# Allegro board mini_trx_layout.brd (continued)
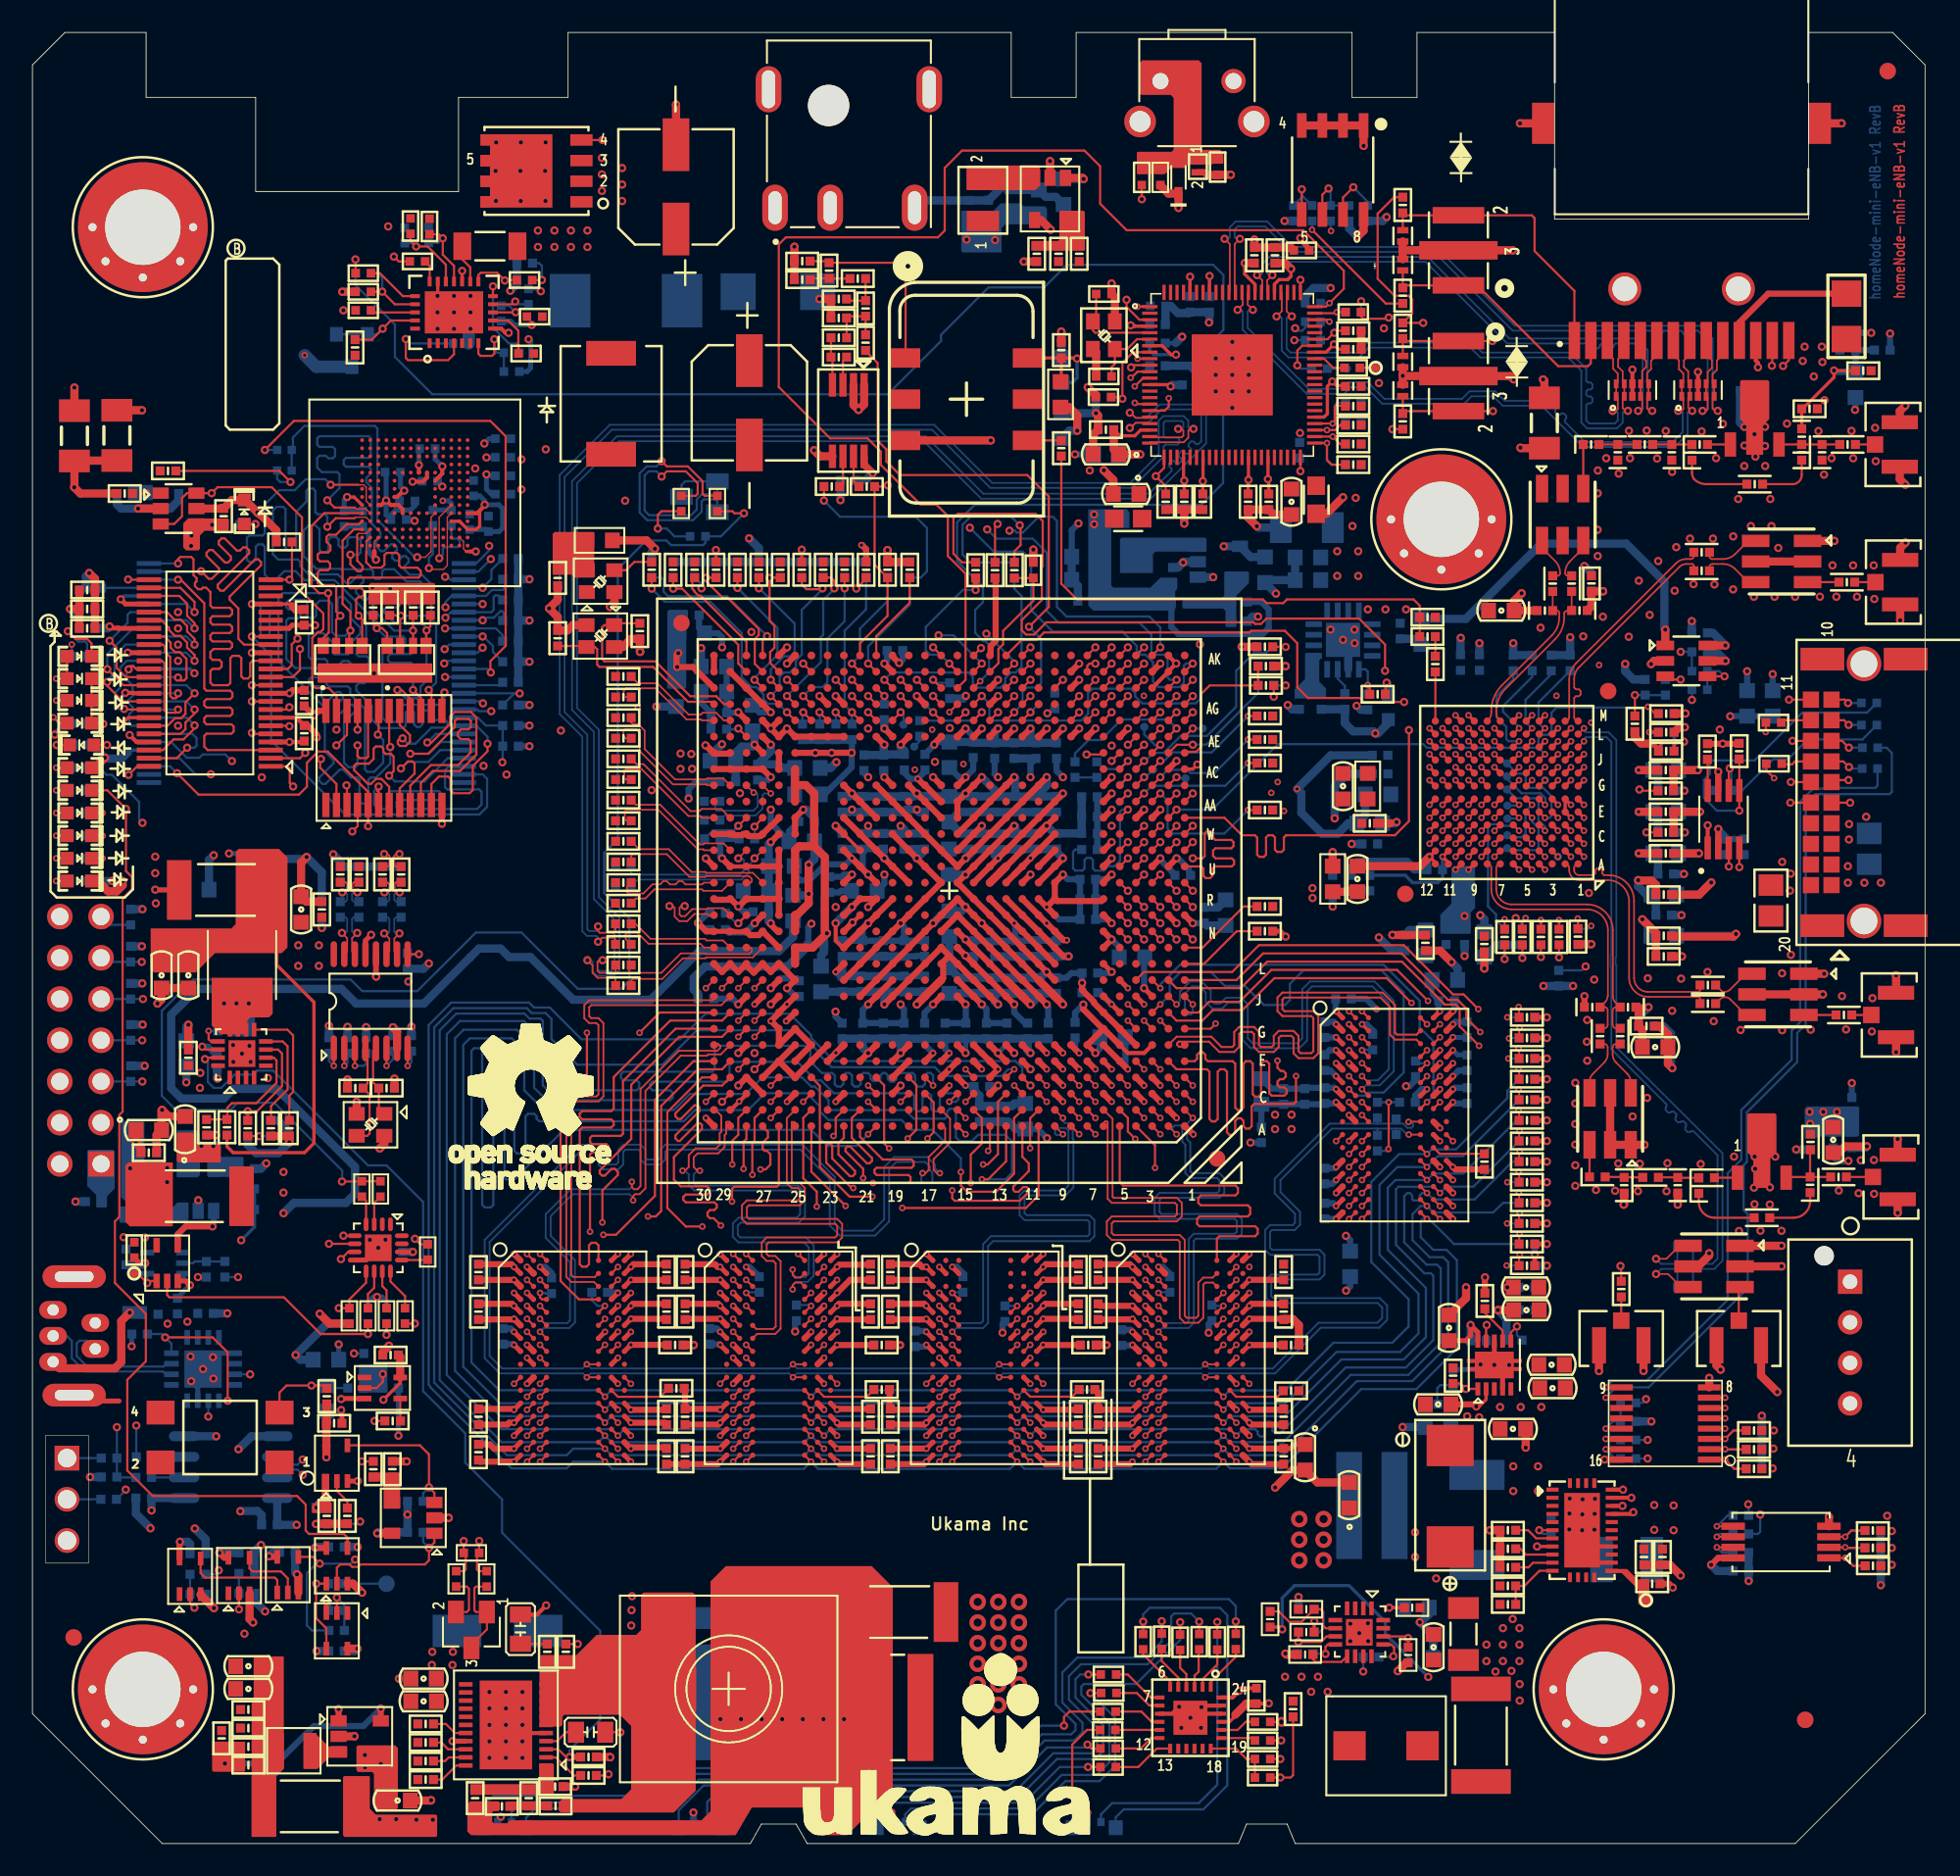
[diagram p0: board, top side]
## Routing (per net, layer and track width the routed paths; a pad name or vN(x,y) marks a point on that pad's centre or on a via; arc(x,y) is an arc through that point) (continued)
  BOTTOM w0.137: v1(9.99,72.88) 9.49,73.38 U64.45
7130_BOOT_AD29: length 107.1
  TOP w0.137: v1(65.49,71.71) U1.AH7 ; U22.29 8.29,75.88 8.75,75.42 9.13,75.42 9.53,75.02 9.53,74.69 9.99,74.23 v1(9.99,73.88)
  L3-SIGNAL w0.127: v1(9.99,73.88) 10.11,73.88 10.63,74.4 10.63,75.11 15.52,80 16.13,80 16.26,79.88 16.26,79.11 16.39,78.98 16.64,78.98 16.77,79.11 16.77,79.88 16.89,80 17.15,80 17.27,79.88 17.27,79.11 17.4,78.98 17.66,78.98 17.78,79.11 17.78,79.88 17.91,80 18.16,80 18.29,79.88 18.29,79.11 18.42,78.98 18.67,78.98 18.8,79.11 18.8,79.88 18.93,80 20.47,80 20.59,79.88 20.59,79.75 20.72,79.62 20.97,79.62 21.1,79.75 21.1,79.88 21.23,80 21.81,80 21.94,79.88 21.94,79.07 22.06,78.95 22.32,78.95 22.44,79.07 22.44,79.88 22.57,80 23.7,80 23.89,80.19 24.07,80.19 24.34,79.93 24.52,79.93 24.7,80.11 24.7,80.29 24.43,80.55 24.43,80.73 24.61,80.91 24.79,80.91 25.06,80.65 25.24,80.65 25.42,80.83 25.42,81.01 25.15,81.27 25.15,81.45 26.27,82.57 27.12,82.57 27.61,83.05 28.61,83.05 29.03,82.64 29.2,82.64 29.38,82.82 29.38,83 28.97,83.41 28.97,83.59 30.04,84.67 30.22,84.67 30.78,84.11 30.96,84.11 31.14,84.29 31.14,84.47 30.58,85.03 30.58,85.21 30.76,85.39 30.76,85.92 32.11,87.27 49.61,87.27 50.77,86.11 58.49,86.11 59.02,85.59 59.02,85.41 57.78,84.17 57.78,83.99 57.96,83.81 58.14,83.81 59.38,85.05 59.56,85.05 59.74,84.87 59.74,84.69 58.5,83.45 58.5,83.28 58.68,83.1 58.86,83.1 60.09,84.33 60.27,84.33 60.45,84.15 60.45,83.97 59.22,82.74 59.22,82.56 59.4,82.38 59.58,82.38 60.81,83.61 60.99,83.61 61.76,82.84 61.76,82.66 61.38,82.28 61.38,82.1 61.56,81.92 61.74,81.92 62.12,82.3 62.3,82.3 62.48,82.12 62.48,81.94 62.1,81.56 62.1,81.38 62.28,81.2 62.46,81.2 62.84,81.58 63.02,81.58 63.88,80.72 63.88,72.41 64.05,72.24 64.96,72.24 v1(65.49,71.71)
  BOTTOM w0.137: U64.47 9.49,74.38 v1(9.99,73.88)
7130_BOOT_AD30: length 104.4
  TOP w0.137: U1.AF8 v1(64.49,69.71) ; U22.27 9.04,76.88 9.53,76.39 9.53,75.66 9.99,75.2 v1(9.99,74.88)
  L6-SIGNAL w0.083: v1(64.49,69.71) 64.51,69.73 64.77,69.73 65.19,69.31 66.72,69.31
  L6-SIGNAL w0.127: v1(9.99,74.88) 9.53,75.34 9.53,76.95 9.67,77.09 10.8,77.09 13.58,79.88 13.76,79.88 14.04,79.59 14.22,79.59 14.4,79.77 14.4,79.95 14.12,80.23 14.12,80.41 14.3,80.59 14.48,80.59 14.76,80.31 14.94,80.31 15.12,80.49 15.12,80.67 14.84,80.95 14.84,81.13 15.02,81.31 15.2,81.31 15.48,81.03 15.66,81.03 15.84,81.21 15.84,81.39 15.56,81.67 15.56,81.85 18.39,84.68 18.57,84.68 18.83,84.43 19.01,84.43 19.19,84.61 19.19,84.79 18.94,85.03 18.94,85.24 21,87.29 31.74,87.29 35.74,83.29 35.74,82.43 36,82.17 36.19,81.97 36.91,81.97 38.14,83.2 45.9,83.2 47.27,81.84 54.87,81.84 56.54,80.17 58.29,80.17 59.47,80.17 59.87,79.76 60.6,79.76 61.34,80.51 67.86,80.51 68.22,80.16 68.22,79.98 67.64,79.4 67.64,79.22 67.82,79.04 68,79.04 68.58,79.62 68.75,79.62 68.93,79.44 68.93,79.26 68.36,78.68 68.36,78.5 68.54,78.32 68.72,78.32 69.29,78.9 69.47,78.9 69.93,78.44 69.93,77.96 70.06,77.83 70.28,77.83 70.41,77.71 70.41,77.45 70.28,77.32 70.06,77.32 69.93,77.2 69.93,76.94 70.06,76.82 70.28,76.82 70.41,76.69 70.41,76.44 70.28,76.31 70.06,76.31 69.93,76.18 69.93,75.93 70.06,75.8 70.28,75.8 70.41,75.67 70.41,75.42 70.28,75.29 70.06,75.29 69.93,75.17 69.93,74.91 70.06,74.78 70.28,74.78 70.41,74.66 70.41,74.4 70.28,74.28 70.06,74.28 69.93,74.15 69.93,72.02 69.39,71.48 69.17,71.48 68.8,71.12 68.31,71.12 68.08,70.89 68.08,70.67 67.67,70.27 67.61,70.27 66.93,69.58 66.93,69.53 66.72,69.31
  BOTTOM w0.137: v1(9.99,74.88) 9.49,75.38 U64.49
7130_BOOT_AD31: length 107.1
  TOP w0.137: U1.AJ7 64.99,72.57 65.12,72.71 v1(65.49,72.71) ; U22.26 7.18,77.38 9.12,77.38 9.99,76.51 v1(9.99,75.88)
  L3-SIGNAL w0.127: v1(65.49,72.71) 65.49,72.81 64.9,73.39 64.9,81.66 59.21,87.34 50.14,87.34 49.88,87.6 30.51,87.6 30.24,87.33 30.24,87.15 30.81,86.58 30.81,86.4 30.63,86.22 30.45,86.22 29.88,86.79 29.7,86.79 28.96,86.05 28.96,84.4 28.42,83.86 26.27,83.86 25.71,83.3 25.71,82.49 24.62,81.41 24.44,81.41 23.55,82.3 23.3,82.3 22.78,81.79 22.78,81.53 23.51,80.8 23.51,80.62 23.39,80.5 21.7,80.5 21.57,80.62 21.57,82.19 21.44,82.32 21.19,82.32 21.06,82.19 21.06,80.62 20.93,80.5 20.68,80.5 20.55,80.62 20.55,82.19 20.43,82.32 20.17,82.32 20.04,82.19 20.04,80.62 19.92,80.5 19.66,80.5 19.54,80.62 19.54,82.19 19.41,82.32 19.16,82.32 19.03,82.19 19.03,80.62 18.9,80.5 17.47,80.5 17.35,80.62 17.35,82.14 17.22,82.26 16.96,82.26 16.84,82.14 16.84,80.62 16.71,80.5 16.46,80.5 16.33,80.62 16.33,82.14 16.2,82.26 15.95,82.26 15.82,82.14 15.82,80.62 15.69,80.5 15.36,80.5 14.64,79.78 14.46,79.78 14.13,80.11 13.95,80.11 13.77,79.93 13.77,79.75 14.1,79.42 14.1,79.24 13.92,79.06 13.74,79.06 13.41,79.39 13.23,79.39 13.05,79.21 13.05,79.03 13.38,78.7 13.38,78.52 13.2,78.34 13.02,78.34 12.69,78.67 12.51,78.67 12.33,78.49 12.33,78.31 12.66,77.98 12.66,77.8 12.48,77.62 12.3,77.62 11.97,77.95 11.79,77.95 11.61,77.77 11.61,77.59 11.94,77.26 11.94,77.08 11.76,76.9 11.58,76.9 11.25,77.23 11.07,77.23 10.9,77.05 10.9,76.87 11.22,76.54 11.22,76.37 10.74,75.88 v1(9.99,75.88)
  BOTTOM w0.137: v1(9.99,75.88) 9.49,76.38 U64.51
7130_BOOT_ALE: length 113.4
  TOP w0.137: v1(61.49,73.71) U1.AK11 ; U22.48 7.18,66.38 6.45,66.38 v1(5.92,65.85) ; U22.25 5.91,77.88 v1(5.89,77.89)
  L6-SIGNAL w0.083: 64.71,69.12 66.16,69.12 66.32,68.96
  L6-SIGNAL w0.127: v1(61.49,73.71) 61.58,73.71 62.71,72.58 62.71,71.39 64.04,70.06 64.04,69.56 64.45,69.15 64.67,69.15 64.71,69.12 ; v1(5.92,65.85) 5.92,66.08 5.04,66.96 5.04,69.43 3.5,70.96 3.5,76.33 5.06,77.89 v1(5.89,77.89) 6.35,77.43 10.67,77.43 20.99,87.75 31.75,87.75 36.07,83.43 36.07,82.56 36.33,82.3 36.77,82.3 38,83.53 46.04,83.53 47.34,82.23 54.95,82.23 56.68,80.5 59.61,80.5 59.65,80.46 60.83,80.46 61.21,80.84 68,80.84 70.93,77.91 70.93,71.53 70.56,71.15 69.3,71.15 69.04,70.89 69.04,70.74 68.46,70.15 68.03,70.15 66.83,68.96 66.32,68.96
7130_BOOT_CE0: length 74
  TOP w0.137: v1(64.49,70.71) U1.AG8
  L6-SIGNAL w0.127: v1(10.99,65.89) 10.99,66.04 12.1,67.15 15,67.15 16.52,65.63 18.14,65.63 19.17,66.67 19.17,73.48 21.53,75.84 22.24,75.84 23.6,77.2 25.89,77.2 26.7,78 28.99,78 29.87,78.88 35.02,78.88 35.42,78.48 45.68,78.48 45.95,78.21 50.74,78.21 51.67,77.28 57.45,77.28 57.92,76.8 58.96,76.8 60.3,75.45 61.52,75.45 61.55,75.42 61.58,75.42 61.84,75.16 61.84,75.14 63.04,73.94 63.04,71.53 63.63,70.94 64.26,70.94 v1(64.49,70.71)
  BOTTOM w0.137: U64.32 9.06,66.88 10.04,65.89 v1(10.99,65.89)
7130_BOOT_CE1: length 67.4
  TOP w0.137: v1(17.77,66.83) 17.72,66.83 17.72,66.29 18.73,65.29 U27.2 ; v1(65.49,73.71) U1.AK7
  L6-SIGNAL w0.127: v1(65.49,73.71) 61.43,77.77 59.54,77.77 58.79,78.51 55.39,78.51 54.7,79.2 46.36,79.2 46.09,79.48 43.89,79.48 43.13,80.23 35.43,80.23 35.27,80.38 24.14,80.38 22.35,78.59 18.3,78.59 16.96,77.25 16.96,69.78 16.88,69.7 16.88,67.77 17.25,67.4 17.25,67.35 v1(17.77,66.83)
7130_BOOT_CE5: length 57.1
  TOP w0.137: v1(19.35,65.21) 19.38,65.18 U27.3
  L6-SIGNAL w0.127: v1(19.35,65.21) 20.47,66.33 20.47,70.92 23.86,74.3 25.7,74.3 26.36,74.96 30.43,74.96 30.44,74.95 30.79,74.95 30.8,74.96 37.83,74.96 38.34,75.47 41.66,75.47 42.61,76.42 46.09,76.42 46.27,76.24 46.52,76.24 50.29,76.24 50.3,76.23 56.93,76.23 56.94,76.22 56.95,76.22 57.85,75.32 59.04,75.32 59.71,74.64 59.71,73.39 59.93,73.17 59.93,72.64 60.3,72.27 61.56,72.27 62.05,71.77 62.05,71.12 62.53,70.64 v1(62.53,69.65)
  BOTTOM w0.137: v1(62.53,69.65) 62.81,69.93 R417.1
7130_BOOT_OE: length 67.3
  TOP w0.137: U1.AJ11 v1(61.49,72.71)
  L6-SIGNAL w0.127: v1(61.49,72.71) 61.26,72.94 61.17,72.94 60.04,74.06 60.04,74.78 59.17,75.65 57.99,75.65 57.08,76.56 50.43,76.56 50.42,76.57 46.65,76.57 46.5,76.57 46.32,76.75 42.45,76.75 41.5,75.8 38.12,75.8 37.99,75.67 31.65,75.67 31.38,75.93 26.6,75.93 25.91,76.62 24.74,76.62 19.5,71.39 19.5,66.45 17.75,64.69 14.3,64.69 v1(12.29,66.7)
  BOTTOM w0.137: v1(12.29,66.7) 11.88,67.11 10.48,67.11 10.28,66.91 9.51,66.91 8.54,67.88 U64.34
7130_BOOT_WAIT: length 61.5
  TOP w0.137: v1(61.49,71.71) U1.AH11
  L3-SIGNAL w0.127: v1(30.02,70.87) 30.02,70.97 30.34,71.29 36.83,71.29 38.3,72.77 38.3,74.89 36.82,76.37 36.82,80.17 35.72,81.26 35.72,82.65 36.26,83.19 36.87,83.19 37.58,82.48 47.3,82.48 53.9,75.88 58.07,75.88 59.21,74.74 59.21,73.34 59.04,73.17 59.04,70.53 59.3,70.27 61.67,70.27 61.93,70.53 61.93,71.27 v1(61.49,71.71)
  BOTTOM w0.137: U64.17 30.01,70.88 v1(30.02,70.87) 29.68,70.87 R432.1
7130_BOOT_WE: length 61.8
  TOP w0.137: U1.AG11 v1(61.49,70.71)
  L3-SIGNAL w0.127: v1(25.37,72.72) 25.87,73.22 27.91,73.22 27.94,73.25 30.79,73.25 31.5,72.53 35.28,72.53 35.82,73.07 35.82,75.34 34.83,76.32 34.83,83.19 35.83,84.18 37.28,84.18 37.86,83.6 50.25,83.6 55.32,78.54 59.9,78.54 61.84,76.6 61.84,74.77 61.04,73.96 61.04,73.53 61.38,73.19 61.63,73.19 61.93,72.89 61.93,72.41 61.69,72.18 61.3,72.18 61.02,71.9 61.02,71.18 v1(61.49,70.71)
  BOTTOM w0.137: U64.13 26.58,72.88 25.57,72.88 25.41,72.72 v1(25.37,72.72)
7130_CORE_PLL_VDD33: length 4.8
  TOP w0.381: U1.AD27 v1(44.49,67.71)
  BOTTOM w0.508: C261.1 44.49,68.44 v1(44.49,67.71) 44.37,67.6 43.7,67.6 43.33,67.22 L22.1 43.33,66.72 C259.1
7130_DDR3_A0: length 162.8
  TOP w0.119: v2(91.63,42.66) 91.59,42.62 R221.1
  TOP w0.137: U15.N3 v2(43.97,25.93) ; v2(52.78,42.83) 52.47,43.14 52.47,46.73 U1.D20 ; U11.N3 v2(31.27,25.93) ; U23.N3 v2(56.67,25.93) ; U35.N3 v2(81.91,40.89) ; U30.N3 v2(69.37,25.93)
  L6-SIGNAL w0.127: v2(52.78,42.83) 52.92,42.97 55.35,42.97 55.44,42.89 55.44,42.68 55.35,42.59 53.34,42.59 53.21,42.47 53.21,42.28 53.34,42.15 54.8,42.15 54.92,42.02 54.92,41.9 54.8,41.77 48.38,41.77 47.6,42.56 47.6,44.77 48.05,45.23 48.05,46.19 47.67,46.57 47.67,53.35 46.3,54.72 39.9,54.72 39.21,54.04 39.21,49.77 30.45,41.01 29.46,41.01 26.95,38.49 26.95,38.31 27.02,38.24 27.2,38.24 29.48,40.52 29.66,40.52 29.72,40.46 29.72,40.28 26.86,37.41 26.86,28.37 28.9,26.33 30.87,26.33 v2(31.27,25.93) U11.N3 43.57,26.33 v2(43.97,25.93) 44.37,26.33 56.27,26.33 v2(56.67,25.93) U23.N3 68.97,26.33 v2(69.37,25.93) 69.77,26.33 75.3,26.33 78.1,29.13 78.1,40.37 79.01,41.28 81.52,41.28 v2(81.91,40.89) 82.31,41.28 89.49,41.28 90.87,42.66 v2(91.63,42.66)
7130_DDR3_A1: length 158.1
  TOP w0.137: v2(35.27,25.13) U11.P7 ; U23.P7 v2(60.67,25.13) ; U35.P7 v2(85.91,40.09) ; U30.P7 v2(73.37,25.13) ; v2(55.49,46.71) U1.D17 ; v2(47.97,25.13) U15.P7
  BOTTOM w0.137: R459.1 91.18,42.02 88.85,39.68 86.31,39.68 86.22,39.78 v2(85.91,40.09) 85.62,40.09 85.47,39.93 85.47,39.7 85.39,39.63 85.09,39.63 85,39.71 85,39.94 84.86,40.09 84.7,40.09 84.52,39.9 84.52,37.04 85.89,35.67 86.53,35.67 86.76,35.44 86.76,30.87 84.77,28.88 81.21,28.88 77.07,24.73 73.77,24.73 v2(73.37,25.13) 72.97,24.73 61.07,24.73 v2(60.67,25.13) 60.27,24.73 48.37,24.73 v2(47.97,25.13) 47.69,24.86 47.69,24.85 47.58,24.73 35.67,24.73 v2(35.27,25.13) 34.87,24.73 28.91,24.73 25.09,28.55 25.09,50.12 26.11,51.14 30.31,51.14 30.62,50.84 31.3,50.84 31.44,50.7 31.44,46.72 31.75,46.42 37.23,46.42 37.39,46.57 37.39,46.87 37.23,47.03 36.41,47.03 36.26,47.18 36.26,47.41 36.41,47.56 41.88,47.56 42.03,47.71 42.03,49.01 42.19,49.16 47.61,49.16 47.93,48.84 47.93,48.19 48.64,47.48 49.27,47.48 49.43,47.33 49.43,46.8 49.58,46.64 49.81,46.64 49.96,46.8 49.96,47.33 50.11,47.48 50.34,47.48 50.49,47.33 50.49,46.8 50.64,46.64 50.87,46.64 51.03,46.8 51.03,47.33 51.18,47.48 51.48,47.48 51.63,47.33 51.63,47.13 51.77,46.99 52.11,46.99 52.24,47.13 52.24,47.33 52.4,47.48 52.55,47.48 52.7,47.33 52.7,47.1 52.85,46.95 53.08,46.95 53.24,47.1 53.24,47.33 53.39,47.48 54.23,47.48 54.38,47.33 54.38,46.8 54.53,46.64 54.84,46.64 54.99,46.8 54.99,47.33 55.14,47.48 55.33,47.48 55.49,47.33 v2(55.49,46.71)
7130_DDR3_A2: length 162.5
  TOP w0.119: v2(91.56,41.37) 91.59,41.35 R220.1
  TOP w0.137: v2(53.92,43.44) 54.45,43.98 54.45,46.74 U1.D18 ; U23.P3 v2(56.67,25.13) ; U30.P3 v2(69.37,25.13) ; U11.P3 v2(31.27,25.13) ; U15.P3 v2(43.97,25.13) ; U35.P3 v2(81.91,40.09)
  L6-SIGNAL w0.127: v2(53.92,43.44) 52.63,43.44 51.25,42.07 48.65,42.07 47.98,42.75 47.98,44.66 48.36,45.04 48.36,46.42 47.98,46.8 47.98,53.58 46.53,55.03 39.75,55.03 38.91,54.19 38.91,50 34.06,45.14 33.85,44.94 30.32,41.41 30.14,41.41 30.06,41.49 30.06,41.67 33.85,45.46 34.8,46.41 34.8,46.59 34.73,46.66 34.55,46.66 33.85,45.97 26.35,38.47 26.35,27.93 28.74,25.53 30.87,25.53 v2(31.27,25.13) 31.67,25.53 43.57,25.53 v2(43.97,25.13) 44.78,25.13 45.18,25.53 56.27,25.53 v2(56.67,25.13) 57.07,25.53 68.97,25.53 v2(69.37,25.13) 69.77,25.53 75.26,25.53 78.61,28.88 78.61,39.67 79.43,40.49 81.51,40.49 v2(81.91,40.09) 82.31,40.48 89.45,40.48 90.29,41.37 v2(91.56,41.37)
7130_DDR3_A3: length 166.2
  TOP w0.119: R224.1 91.59,46.44 v2(91.56,46.47)
  TOP w0.137: U15.N2 v2(43.17,25.93) ; U35.N2 v2(81.11,40.89) ; U1.D14 v2(57.49,47.71) ; U30.N2 v2(68.57,25.93) ; U11.N2 v2(30.47,25.93) ; U23.N2 v2(55.87,25.93)
  L3-SIGNAL w0.127: v2(57.49,47.71) 58.04,47.16 58.04,45.96 58.16,45.83 58.8,45.83 58.92,45.71 58.92,45.45 58.8,45.32 58.16,45.32 58.04,45.2 58.04,44.94 58.16,44.82 58.8,44.82 58.92,44.69 58.92,44.37 58.8,44.24 56.7,44.24 56.58,44.37 56.58,45.07 56.45,45.2 54.29,45.2 54.16,45.32 54.16,45.58 54.29,45.71 55.81,45.71 55.94,45.83 55.94,46.06 55.81,46.19 54.73,46.19 54.61,46.31 54.61,47.08 54.48,47.21 54.23,47.21 54.1,47.08 54.1,46.31 53.97,46.19 51.18,46.19 50.45,46.91 48.93,46.91 45.62,50.23 40.65,50.23 38.8,48.37 36.32,48.37 33.85,45.9 27.84,39.89 27.66,39.89 27.39,40.15 27.39,40.33 32.67,45.62 32.67,45.79 32.47,46 32.29,46 26.79,40.5 26.79,28.13 28.6,26.32 30.08,26.32 v2(30.47,25.93) 30.87,26.33 42.77,26.33 v2(43.17,25.93) 43.57,26.33 55.47,26.33 v2(55.87,25.93) 56.27,26.33 68.17,26.33 v2(68.57,25.93) 68.97,26.33 76.54,26.33 78.1,27.9 78.1,39.48 79.88,41.26 80.74,41.26 v2(81.11,40.89) U35.N2 88.29,41.29 91.12,44.12 91.12,46.02 v2(91.56,46.47)
7130_DDR3_A4: length 157.7
  TOP w0.137: U30.P8 v2(74.17,25.13) ; U23.P8 v2(61.47,25.13) ; v2(56.49,45.71) U1.C15 ; U11.P8 v2(36.07,25.13) ; v2(48.77,25.13) U15.P8 ; U35.P8 v2(86.71,40.09)
  BOTTOM w0.137: v2(56.49,45.71) 56.89,45.71 57.05,45.86 57.05,46.08 56.89,46.23 56.05,46.23 55.9,46.08 55.9,45.27 55.75,45.12 55.52,45.12 55.37,45.27 55.37,46.08 55.22,46.23 54.99,46.23 54.84,46.08 54.84,45.27 54.68,45.12 54.48,45.12 54.32,45.27 54.32,46.08 54.17,46.23 49.38,46.23 48.59,47.03 48.27,47.03 47.13,48.17 43.1,48.17 42.95,48.02 42.95,47.1 42.8,46.95 38.19,46.95 38.04,46.8 38.04,46.57 38.19,46.42 39.29,46.42 39.44,46.26 39.44,45.96 39.29,45.81 31.67,45.81 30.91,46.57 30.91,50.36 30.77,50.5 30.48,50.5 30.29,50.68 26.34,50.68 25.52,49.87 25.52,28.88 28.87,25.53 35.67,25.53 v2(36.07,25.13) 36.47,25.53 U15.P8 v2(48.77,25.13) 49.05,25.42 49.17,25.53 61.07,25.53 v2(61.47,25.13) 61.87,25.53 U30.P8 v2(74.17,25.13) 74.57,25.53 75.34,25.53 75.49,25.39 75.49,25.23 75.64,25.08 75.79,25.08 75.94,25.23 75.94,25.84 76.1,25.99 76.25,25.99 76.4,25.84 76.4,25.44 76.55,25.28 76.86,25.28 80.91,29.33 84.62,29.33 86.31,31.02 86.31,34.99 86.15,35.14 85.76,35.14 84.01,36.89 84.01,40.33 84.15,40.47 86.33,40.47 v2(86.71,40.09) 87.11,40.48 88.78,40.48 R458.1
7130_DDR3_A5: length 162.8
  TOP w0.137: U30.P2 v2(68.57,25.13) ; U35.P2 v2(81.11,40.09) ; U23.P2 v2(55.87,25.13) ; U1.B15 v2(57.49,44.71) ; U15.P2 v2(43.17,25.13) ; U11.P2 v2(30.47,25.13)
  L3-SIGNAL w0.127: v2(57.49,44.71) 57.05,45.15 57.05,46.8 56.59,47.25 56.05,47.25 55.48,47.82 49.08,47.82 46.92,49.98 46.92,51.97 46.68,52.21 41.11,52.21 38.22,49.32 32.25,49.32 26.69,43.76 26.51,43.76 26.31,43.96 26.31,44.14 32.13,49.96 33.16,49.96 33.29,50.09 33.29,50.37 33.16,50.5 31.91,50.5 25.65,44.24 25.65,27.82 28.75,24.72 30.06,24.72 v2(30.47,25.13) 30.87,24.73 42.77,24.73 v2(43.17,25.13) 43.57,24.73 55.47,24.73 v2(55.87,25.13) 56.27,24.73 68.17,24.73 v2(68.57,25.13) 68.97,24.73 77.15,24.73 79.12,26.69 79.12,38.85 79.98,39.71 80.74,39.71 v2(81.11,40.09) 81.51,39.68 89.8,39.68 v2(90.87,40.75)
  BOTTOM w0.127: R460.1 v2(90.87,40.75)
7130_DDR3_A6: length 157.6
  TOP w0.119: v2(91.58,40.1) 91.59,40.09 R219.1
  TOP w0.137: U35.R8 v2(86.71,39.29) ; U30.R8 v2(74.17,24.33) ; U23.R8 v2(61.47,24.33) ; U1.C14 v2(57.49,45.71) ; U11.R8 v2(36.07,24.33) ; v2(48.77,24.33) U15.R8
  L6-SIGNAL w0.127: v2(57.49,45.71) 59.35,43.85 59.35,41.91 58.83,41.39 58.23,41.39 55.62,43.99 52.56,43.99 50.95,42.38 48.85,42.38 48.28,42.95 48.28,44.44 48.66,44.82 48.66,46.64 48.28,47.03 48.28,53.73 46.68,55.33 39.44,55.33 38.54,54.43 38.54,50.09 35.59,47.14 34.46,47.14 25.84,38.52 25.84,27.68 28.79,24.73 35.67,24.73 v2(36.07,24.33) 36.47,24.73 48.37,24.73 v2(48.77,24.33) 49.17,24.73 U23.R8 v2(61.47,24.33) 61.87,24.73 U30.R8 v2(74.17,24.33) 74.57,24.73 75.28,24.73 79.12,28.56 79.12,38.86 79.94,39.69 U35.R8 v2(86.71,39.29) 87.12,39.69 91.16,39.69 v2(91.58,40.1)
7130_DDR3_A7: length 162.5
  TOP w0.137: U23.R2 v2(55.87,24.33) ; U11.R2 v2(30.47,24.33) ; v2(57.81,40.7) 57.81,42.45 58.49,43.13 58.49,44.71 U1.B14 ; U35.R2 v2(81.11,39.29) ; U30.R2 v2(68.57,24.33) ; U15.R2 v2(43.17,24.33)
  L3-SIGNAL w0.127: v2(90.85,38.21) 90.18,38.88 81.52,38.88 v2(81.11,39.29) 80.7,38.87 79.88,38.87 79.63,38.62 79.63,26.17 77.39,23.93 68.97,23.93 v2(68.57,24.33) 68.17,23.93 56.27,23.93 v2(55.87,24.33) 55.47,23.93 43.57,23.93 v2(43.17,24.33) 42.77,23.93 30.87,23.93 v2(30.47,24.33) 30.05,23.91 28.88,23.91 25.14,27.65 25.14,46.02 26.64,47.52 26.82,47.52 27.02,47.32 27.02,47.14 25.95,46.06 25.95,45.85 26.09,45.71 26.35,45.71 32,51.36 39.28,51.36 41.12,53.2 46.76,53.2 47.43,52.52 47.43,50.01 49.27,48.17 58.81,48.17 58.99,47.99 58.99,46.47 59.43,46.02 59.43,42.09 58.8,41.45 58.06,41.45 57.81,41.2 v2(57.81,40.7)
  BOTTOM w0.127: R462.1 v2(90.85,38.21)
7130_DDR3_A8: length 157.7
  TOP w0.119: v2(91.61,37.55) 91.59,37.53 R217.1
  TOP w0.137: U30.T8 v2(74.17,23.53) ; U35.T8 v2(86.71,38.49) ; U15.T8 v2(48.77,23.53) ; U23.T8 v2(61.47,23.53) ; U1.A15 v2(57.49,43.71) ; U11.T8 v2(36.07,23.53)
  L6-SIGNAL w0.127: v2(91.61,37.55) 87.65,37.55 v2(86.71,38.49) 86.31,38.09 85.26,38.09 84.47,38.88 81.74,38.88 81.51,38.64 81.51,29.42 75.23,23.15 74.55,23.15 v2(74.17,23.53) 73.76,23.12 71.27,23.12 70.48,23.91 69.16,23.91 68.97,23.72 68.97,23.34 68.73,23.1 61.9,23.1 v2(61.47,23.53) 61.04,23.1 59.41,23.1 58.57,23.94 56.51,23.94 56.27,23.69 56.27,23.31 56.05,23.1 49.2,23.1 v2(48.77,23.53) 48.34,23.1 47.06,23.1 46.22,23.94 43.84,23.94 43.57,23.67 43.57,23.34 43.33,23.1 36.5,23.1 v2(36.07,23.53) 35.66,23.12 34.49,23.12 33.69,23.93 31.13,23.93 30.87,23.67 30.87,23.35 30.64,23.12 28.93,23.12 24.83,27.23 24.83,38.73 37.53,51.43 37.53,54.56 38.91,55.94 47.14,55.94 48.66,54.42 49.48,54.42 49.96,53.93 49.96,45.12 48.89,44.05 48.89,43.4 49.19,43.1 49.62,43.1 51.33,44.82 56.38,44.82 v2(57.49,43.71)
7130_DDR3_A9: length 162.2
  TOP w0.119: R218.1 91.59,38.81 v2(91.63,38.85)
  TOP w0.137: U23.R3 v2(56.67,24.33) ; U35.R3 v2(81.91,39.29) ; U11.R3 v2(31.27,24.33) ; v2(58.57,41.84) 58.84,41.84 59.48,42.48 59.48,45.71 U1.C12 ; U15.R3 v2(43.97,24.33) ; U30.R3 v2(69.37,24.33)
  L6-SIGNAL w0.127: v2(58.57,41.84) 55.98,44.44 51.48,44.44 49.81,42.76 49.04,42.76 48.59,43.22 48.59,44.28 48.97,44.66 48.97,53.58 46.91,55.64 39.14,55.64 38.03,54.53 38.03,51.33 36.91,50.21 36.91,48.99 35.61,47.69 35.43,47.69 35.3,47.81 35.3,47.99 36.5,49.18 36.5,49.36 36.37,49.49 36.19,49.49 25.33,38.63 25.33,27.3 28.71,23.93 30.65,23.93 31.05,24.33 v2(31.27,24.33) 34.49,24.33 34.89,23.93 43.35,23.93 43.75,24.33 v2(43.97,24.33) 47.06,24.33 47.46,23.93 56.08,23.93 56.48,24.33 v2(56.67,24.33) 59.69,24.33 60.09,23.93 68.76,23.93 69.16,24.33 v2(69.37,24.33) 71.74,24.33 72.14,23.93 75.25,23.93 79.63,28.31 79.63,38.62 79.88,38.87 81.28,38.87 81.69,39.29 v2(81.91,39.29) 84.77,39.29 85.17,38.88 91.59,38.88 v2(91.63,38.85)
7130_DDR3_A10: length 159.5
  TOP w0.137: U1.A20 v2(51.49,43.71) ; U15.L7 v2(47.97,27.53) ; U30.L7 v2(73.37,27.53) ; U11.L7 v2(35.27,27.53) ; U35.L7 v2(85.91,42.49) ; U23.L7 v2(60.67,27.53)
  BOTTOM w0.137: v2(51.49,43.71) 50.76,42.99 48.97,42.99 47.98,43.98 32.74,43.98 29.68,40.92 29.16,40.92 29.08,41.01 29.08,48.78 28.93,48.93 28.55,48.93 28.39,48.78 28.39,39.35 28.24,39.2 27.86,39.2 27.71,39.35 27.71,48.85 27.56,49.01 27.2,49.01 27.05,48.85 27.05,29.64 28.76,27.93 U11.L7 v2(35.27,27.53) 35.67,27.93 U15.L7 v2(47.97,27.53) 48.37,27.93 60.27,27.93 v2(60.67,27.53) 61.07,27.93 72.97,27.93 v2(73.37,27.53) 73.76,27.93 77.21,27.93 80.15,30.86 83.78,30.86 84.78,31.86 84.78,33.54 82.48,35.84 82.48,40.76 84.2,42.49 v2(85.91,42.49) 86.2,42.78 87.7,42.78 90.87,45.94 90.87,46.38 R455.1
7130_DDR3_A11: length 151.2
  TOP w0.137: U30.R7 v2(73.37,24.33) ; U35.R7 v2(85.91,39.29) ; U11.R7 v2(35.27,24.33) ; U1.D12 v2(60.49,47.71) ; U23.R7 v2(60.67,24.33) ; U15.R7 v2(47.97,24.33)
  BOTTOM w0.137: R461.1 90.61,39.48 89.99,38.88 86.32,38.88 86.19,39.01 86.18,39.01 v2(85.91,39.29) 85.52,39.29 85.02,38.78 85.02,37.18 86.08,36.13 86.92,36.13 87.22,35.82 87.22,30.71 85.01,28.5 81.59,28.5 77.03,23.93 73.77,23.93 73.61,24.09 v2(73.37,24.33) 72.97,23.93 61.07,23.93 v2(60.67,24.33) 60.27,23.93 48.37,23.93 v2(47.97,24.33) 47.57,23.93 35.67,23.93 v2(35.27,24.33) 33.32,24.33 32.92,23.93 29.23,23.93 24.75,28.41 24.75,50.29 25.94,51.48 30.45,51.48 30.76,51.18 31.61,51.18 31.98,50.81 31.98,49.57 33.56,47.99 38.81,47.99 40.93,50.11 47.09,50.11 48.41,48.79 48.41,48.67 49.24,47.84 55.6,47.84 56.14,47.3 59.71,47.3 60.12,47.71 v2(60.49,47.71)
7130_DDR3_A12: length 158.9
  TOP w0.137: U30.N7 v2(73.37,25.93) ; U11.N7 v2(35.27,25.93) ; v2(47.97,25.93) U15.N7 ; U1.A12 59.99,42.04 58.87,40.93 v2(58.49,40.93) ; U35.N7 v2(85.91,40.89) ; U23.N7 v2(60.67,25.93)
  BOTTOM w0.137: R457.1 91.44,44.56 88.16,41.29 86.31,41.29 v2(85.91,40.89) 83.98,40.89 83.5,40.41 83.5,36.59 85.85,34.24 85.85,31.2 84.48,29.83 80.64,29.83 77.14,26.33 76.39,26.33 76.39,26.33 75.95,26.33 75.95,26.33 73.77,26.33 v2(73.37,25.93) U30.N7 61.07,26.33 v2(60.67,25.93) 60.27,26.33 48.37,26.33 v2(47.97,25.93) U15.N7 35.67,26.33 v2(35.27,25.93) 34.87,26.33 28.83,26.33 26.03,29.13 26.03,49.62 26.57,50.15 29.82,50.15 30.3,49.67 30.3,46.42 31.52,45.2 39.52,45.2 40.51,46.19 43.94,46.19 44.96,47.21 47.41,47.21 47.98,46.64 48.21,46.64 49.04,45.81 49.04,45.35 49.2,45.2 53.77,45.2 54.3,44.66 56.21,44.66 56.36,44.82 56.36,45.12 56.51,45.27 56.74,45.27 56.89,45.12 56.89,43.52 57.12,43.29 57.88,43.29 58.26,43.67 59.94,43.67 60.35,43.27 60.35,41.32 59.95,40.93 v2(58.49,40.93)
7130_DDR3_A13: length 153.6
  TOP w0.119: R216.1 91.59,36.27 v2(91.63,36.31)
  TOP w0.137: U15.T3 v2(43.97,23.53) ; U30.T3 v2(69.37,23.53) ; U23.T3 v2(56.67,23.53) ; U35.T3 v2(81.91,38.49) ; U1.B22 49.49,44.71 49.49,43.73 v2(49.35,43.6) ; U11.T3 v2(31.27,23.53)
  L6-SIGNAL w0.127: v2(91.63,36.31) 86.44,36.31 84.26,38.49 v2(81.91,38.49) 81.91,29.1 75.54,22.72 71.12,22.72 70.3,23.53 v2(69.37,23.53) 69.37,23.1 69.03,22.76 58.89,22.76 58.11,23.53 v2(56.67,23.53) 56.67,23.1 56.23,22.65 46.54,22.65 45.67,23.53 v2(43.97,23.53) 43.97,23.13 43.49,22.65 34.35,22.65 33.63,23.37 31.43,23.37 v2(31.27,23.53) 31.27,22.96 30.97,22.65 28.7,22.65 24.32,27.04 24.32,38.76 37.02,51.46 37.02,55.52 38.74,57.24 46.45,57.24 48.71,54.98 49.78,54.98 50.48,54.28 50.48,49.83 50.99,49.32 50.99,47.58 50.83,47.43 50.6,47.43 50.44,47.28 50.44,47.05 50.57,46.93 50.82,46.93 50.95,46.8 50.95,46.54 50.82,46.42 50.57,46.42 50.44,46.29 50.44,46.04 50.57,45.91 50.82,45.91 50.95,45.78 50.95,45.53 50.82,45.4 50.57,45.4 50.44,45.27 50.44,44.69 v2(49.35,43.6)
